# KiCad board explorekb75-old-layout.kicad_pcb
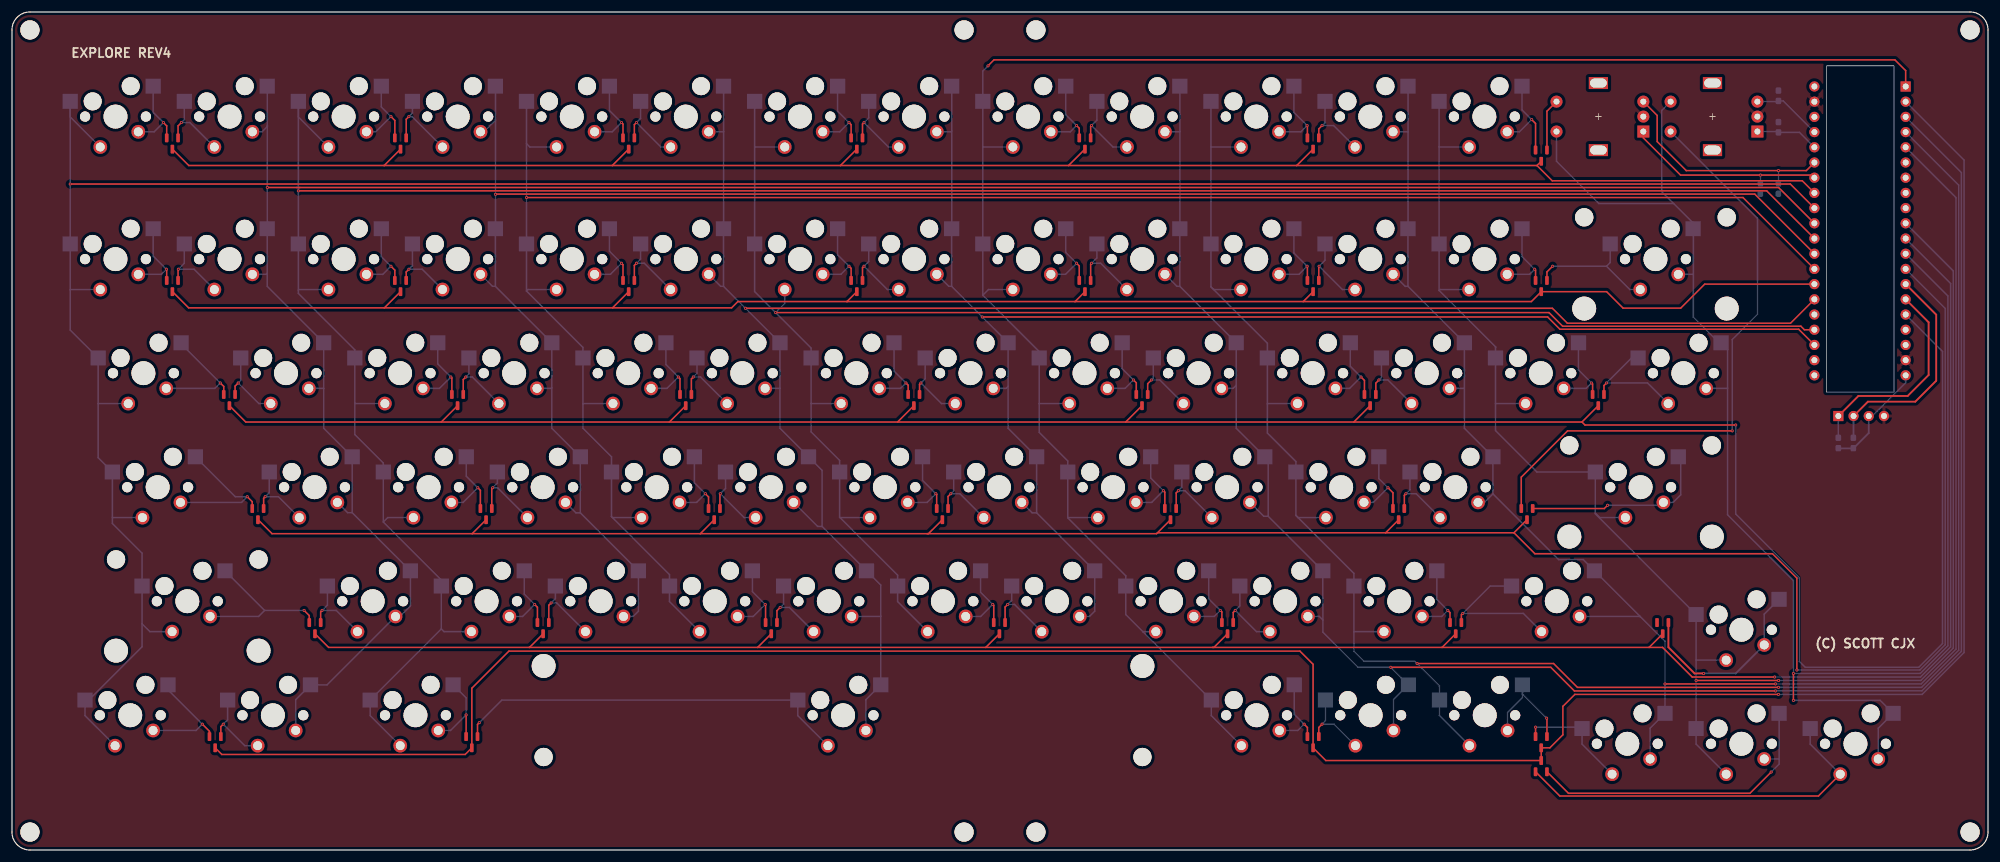
[diagram p0: board, top side]
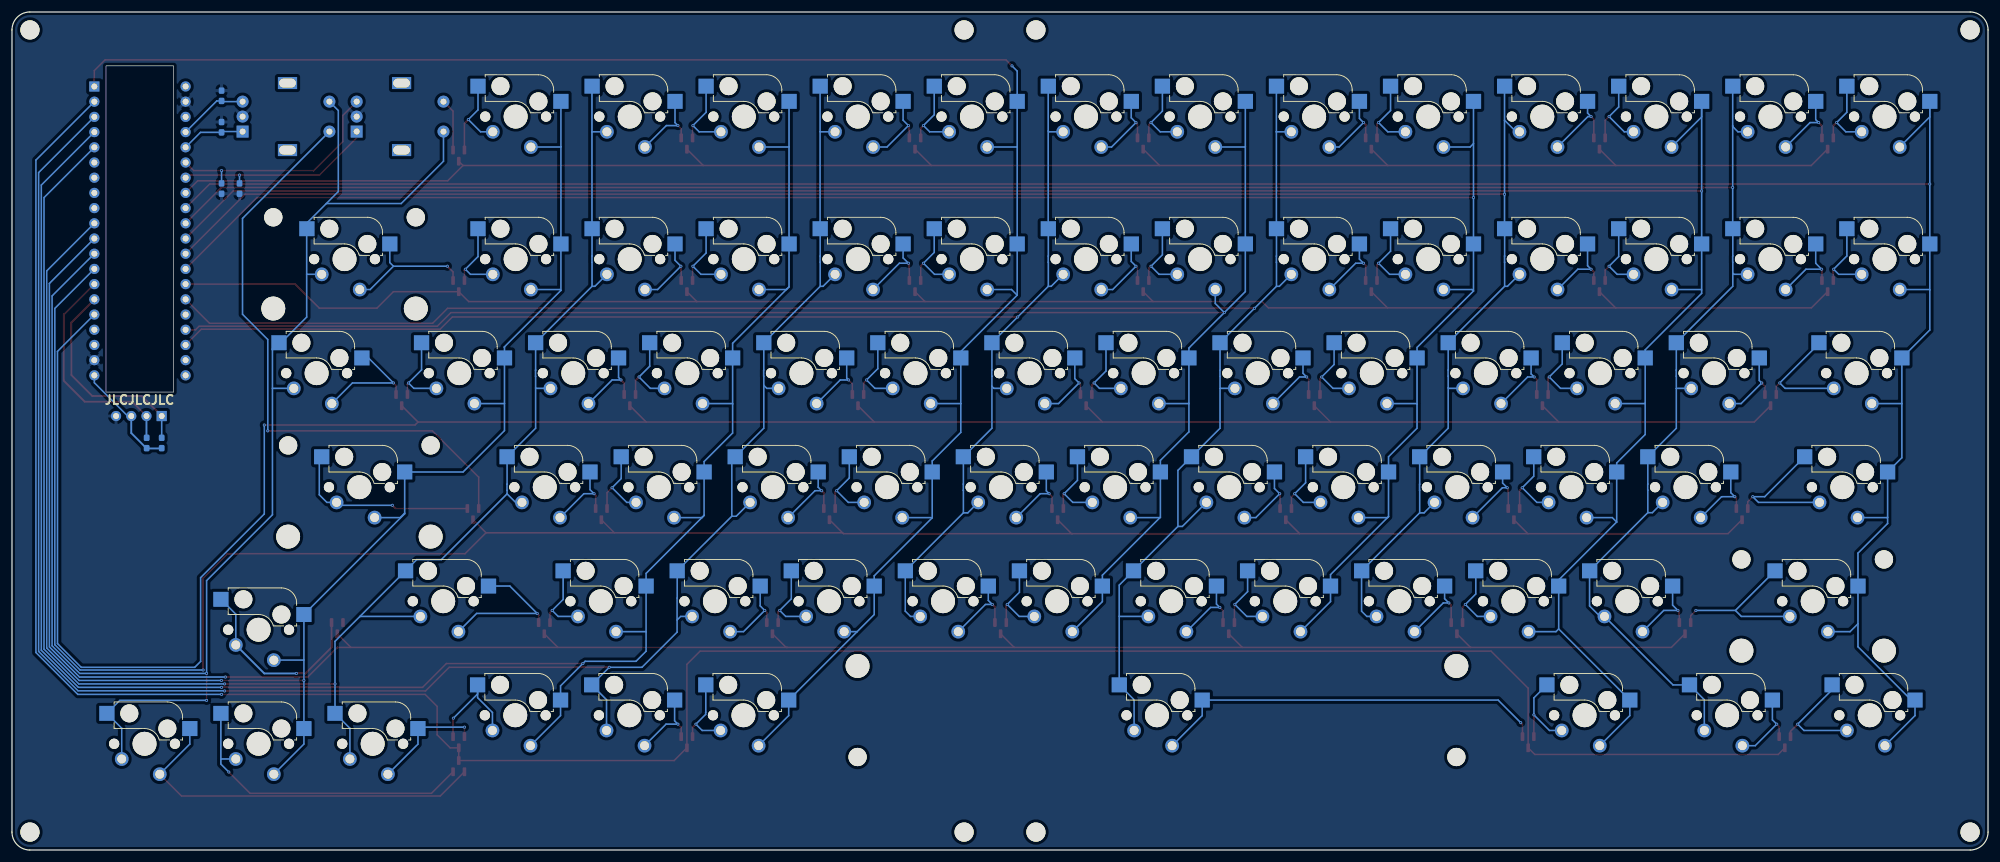
[diagram p1: board, bottom side, seen from below]

Outline 330 x 140 mm; copper layers: Top, Bottom. Coordinates in mm from the lower left corner of the outline.
Outline path: rectangle 303,131 314.3,76.5 ; 0,137 arc(0.88,139.12) 3,140 327,140 arc(329.12,139.12) 330,137 330,3 arc(329.12,0.88) 327,0 3,0 arc(0.88,0.88) 0,3 0,137
Stack: Top 0.035mm / dielectric 1.51mm FR4 er 4.5 / Bottom 0.035mm

## Placement (name value [footprint] x y rotation side)
C1  100n  [C_0603_1608Metric_Pad1.08x0.95mm_HandSolder]  295 110.5 270 bottom
C2  100n  [C_0603_1608Metric_Pad1.08x0.95mm_HandSolder]  292 110.5 270 bottom
C3  100n  [C_0603_1608Metric_Pad1.08x0.95mm_HandSolder]  295 126 90 bottom
C4  100n  [C_0603_1608Metric_Pad1.08x0.95mm_HandSolder]  295 120.75 90 bottom
D1  BAT54C  [SOT-23]  26.79 118.03 270 top
D2  BAT54C  [SOT-23]  64.89 118.03 270 top
D3  BAT54C  [SOT-23]  102.99 118.03 270 top
D4  BAT54C  [SOT-23]  141.09 118.03 270 top
D5  BAT54C  [SOT-23]  179.19 118.03 270 top
D6  BAT54C  [SOT-23]  217.29 118.03 270 top
D7  BAT54C  [SOT-23]  255.39 116 270 top
D8  BAT54C  [SOT-23]  26.79 94.21 270 top
D9  BAT54C  [SOT-23]  64.89 94.21 270 top
D10  BAT54C  [SOT-23]  102.99 94.21 270 top
D11  BAT54C  [SOT-23]  141.09 94.21 270 top
D12  BAT54C  [SOT-23]  179.19 94.21 270 top
D13  BAT54C  [SOT-23]  217.29 94.21 270 top
D14  BAT54C  [SOT-23]  255.39 94.21 270 top
D15  BAT54C  [SOT-23]  36.31 75.16 270 top
D16  BAT54C  [SOT-23]  74.41 75.16 270 top
D17  BAT54C  [SOT-23]  112.51 75.16 270 top
D18  BAT54C  [SOT-23]  150.61 75.16 270 top
D19  BAT54C  [SOT-23]  188.71 75.16 270 top
D20  BAT54C  [SOT-23]  226.81 75.16 270 top
D21  BAT54C  [SOT-23]  264.91 75.16 270 top
D22  BAT54C  [SOT-23]  41.07 56.11 270 top
D23  BAT54C  [SOT-23]  79.17 56.11 270 top
D24  BAT54C  [SOT-23]  117.27 56.11 270 top
D25  BAT54C  [SOT-23]  155.37 56.11 270 top
D26  BAT54C  [SOT-23]  193.47 56.11 270 top
D27  BAT54C  [SOT-23]  231.57 56.11 270 top
D28  BAT54C  [SOT-23]  253.01 56.11 270 top
D29  BAT54C  [SOT-23]  50.6 37.06 270 top
D30  BAT54C  [SOT-23]  88.7 37.06 270 top
D31  BAT54C  [SOT-23]  126.8 37.06 270 top
D32  BAT54C  [SOT-23]  164.9 37.06 270 top
D33  BAT54C  [SOT-23]  203 37.06 270 top
D34  BAT54C  [SOT-23]  241.1 37.06 270 top
D35  BAT54C  [SOT-23]  275.67 37.06 270 top
D36  BAT54C  [SOT-23]  33.93 18.01 270 top
D37  BAT54C  [SOT-23]  76.79 18.01 270 top
D38  BAT54C  [SOT-23]  217.29 18.01 270 top
D39  BAT54C  [SOT-23]  255.39 18.01 270 top
D40  BAT54C  [SOT-23]  255.39 14.01 90 top
G***  LOGO  [muffin_glasses_fp]  309.5 56 0 top
R1  4k7  [C_0603_1608Metric_Pad1.08x0.95mm_HandSolder]  305 68 90 bottom
R2  4k7  [C_0603_1608Metric_Pad1.08x0.95mm_HandSolder]  307.51 68 90 bottom
REF**  M3 Hole  [MountingHole_3.2mm_M3]  327 3 0 top
REF**#2  M3 Hole  [MountingHole_3.2mm_M3]  159 3 0 top
REF**#3  M3 Hole  [MountingHole_3.2mm_M3]  3 137 0 top
REF**#4  M3 Hole  [MountingHole_3.2mm_M3]  171 3 0 top
REF**#5  M3 Hole  [MountingHole_3.2mm_M3]  327 137 0 top
REF**#6  M3 Hole  [MountingHole_3.2mm_M3]  3 3 0 top
REF**#7  M3 Hole  [MountingHole_3.2mm_M3]  159 137 0 top
REF**#8  M3 Hole  [MountingHole_3.2mm_M3]  171 137 0 top
STAB1  -  [Stabilizer_MX_2u]  274.46 98.71 0 top
STAB2  -  [Stabilizer_MX_2u]  271.98 60.61 0 top
STAB3  -  [Stabilizer_MX_2u]  29.28 41.56 0 top
STAB4  -  [Stabilizer_Cherry_MX_6.25u]  138.79 22.53 180 top
SW1  SW_SPST  [MX_HS_Optional]  17.29 122.53 0 top
SW2  SW_SPST  [MX_HS_Optional]  36.34 122.53 0 top
SW3  SW_SPST  [MX_HS_Optional]  55.39 122.53 0 top
SW4  SW_SPST  [MX_HS_Optional]  74.44 122.53 0 top
SW5  SW_SPST  [MX_HS_Optional]  93.49 122.53 0 top
SW6  SW_SPST  [MX_HS_Optional]  112.54 122.53 0 top
SW7  SW_SPST  [MX_HS_Optional]  131.59 122.53 0 top
SW8  SW_SPST  [MX_HS_Optional]  150.64 122.53 0 top
SW9  SW_SPST  [MX_HS_Optional]  169.69 122.53 0 top
SW10  SW_SPST  [MX_HS_Optional]  188.74 122.53 0 top
SW11  SW_SPST  [MX_HS_Optional]  207.79 122.53 0 top
SW12  SW_SPST  [MX_HS_Optional]  226.84 122.53 0 top
SW13  SW_SPST  [MX_HS_Optional]  245.89 122.53 0 top
SW14  RotaryEncoder_Switch  [RotaryEncoder_Alps_EC11E-Switch_Vertical_H20mm]  264.94 122.53 180 top
SW15  RotaryEncoder_Switch  [RotaryEncoder_Alps_EC11E-Switch_Vertical_H20mm]  283.99 122.53 180 top
SW16  SW_SPST  [MX_HS_Optional]  17.29 98.71 0 top
SW17  SW_SPST  [MX_HS_Optional]  36.34 98.71 0 top
SW18  SW_SPST  [MX_HS_Optional]  55.39 98.71 0 top
SW19  SW_SPST  [MX_HS_Optional]  74.44 98.71 0 top
SW20  SW_SPST  [MX_HS_Optional]  93.49 98.71 0 top
SW21  SW_SPST  [MX_HS_Optional]  112.54 98.71 0 top
SW22  SW_SPST  [MX_HS_Optional]  131.59 98.71 0 top
SW23  SW_SPST  [MX_HS_Optional]  150.64 98.71 0 top
SW24  SW_SPST  [MX_HS_Optional]  169.69 98.71 0 top
SW25  SW_SPST  [MX_HS_Optional]  188.74 98.71 0 top
SW26  SW_SPST  [MX_HS_Optional]  207.79 98.71 0 top
SW27  SW_SPST  [MX_HS_Optional]  226.84 98.71 0 top
SW28  SW_SPST  [MX_HS_Optional]  245.89 98.71 0 top
SW29  SW_SPST  [MX_HS_Optional]  274.46 98.71 0 top
SW30  SW_SPST  [MX_HS_Optional]  21.95 79.66 0 top
SW31  SW_SPST  [MX_HS_Optional]  45.76 79.66 0 top
SW32  SW_SPST  [MX_HS_Optional]  64.81 79.66 0 top
SW33  SW_SPST  [MX_HS_Optional]  83.86 79.66 0 top
SW34  SW_SPST  [MX_HS_Optional]  102.91 79.66 0 top
SW35  SW_SPST  [MX_HS_Optional]  121.96 79.66 0 top
SW36  SW_SPST  [MX_HS_Optional]  141.01 79.66 0 top
SW37  SW_SPST  [MX_HS_Optional]  160.06 79.66 0 top
SW38  SW_SPST  [MX_HS_Optional]  179.11 79.66 0 top
SW39  SW_SPST  [MX_HS_Optional]  198.16 79.66 0 top
SW40  SW_SPST  [MX_HS_Optional]  217.21 79.66 0 top
SW41  SW_SPST  [MX_HS_Optional]  236.26 79.66 0 top
SW42  SW_SPST  [MX_HS_Optional]  255.31 79.66 0 top
SW43  SW_SPST  [MX_HS_Optional]  279.12 79.66 0 top
SW44  SW_SPST  [MX_HS_Optional]  24.33 60.61 0 top
SW45  SW_SPST  [MX_HS_Optional]  50.52 60.61 0 top
SW46  SW_SPST  [MX_HS_Optional]  69.57 60.61 0 top
SW47  SW_SPST  [MX_HS_Optional]  88.62 60.61 0 top
SW48  SW_SPST  [MX_HS_Optional]  107.67 60.61 0 top
SW49  SW_SPST  [MX_HS_Optional]  126.72 60.61 0 top
SW50  SW_SPST  [MX_HS_Optional]  145.77 60.61 0 top
SW51  SW_SPST  [MX_HS_Optional]  164.82 60.61 0 top
SW52  SW_SPST  [MX_HS_Optional]  183.87 60.61 0 top
SW53  SW_SPST  [MX_HS_Optional]  202.92 60.61 0 top
SW54  SW_SPST  [MX_HS_Optional]  221.97 60.61 0 top
SW55  SW_SPST  [MX_HS_Optional]  241.02 60.61 0 top
SW56  SW_SPST  [MX_HS_Optional]  271.98 60.61 0 top
SW57  SW_SPST  [MX_HS_Optional]  29.28 41.56 0 top
SW58  SW_SPST  [MX_HS_Optional]  60.24 41.56 0 top
SW59  SW_SPST  [MX_HS_Optional]  79.26 41.56 0 top
SW60  SW_SPST  [MX_HS_Optional]  98.31 41.56 0 top
SW61  SW_SPST  [MX_HS_Optional]  117.36 41.56 0 top
SW62  SW_SPST  [MX_HS_Optional]  136.41 41.56 0 top
SW63  SW_SPST  [MX_HS_Optional]  155.46 41.56 0 top
SW64  SW_SPST  [MX_HS_Optional]  174.51 41.56 0 top
SW65  SW_SPST  [MX_HS_Optional]  193.56 41.56 0 top
SW66  SW_SPST  [MX_HS_Optional]  212.61 41.56 0 top
SW67  SW_SPST  [MX_HS_Optional]  231.66 41.56 0 top
SW68  SW_SPST  [MX_HS_Optional]  257.98 41.56 0 top
SW69  SW_SPST  [MX_HS_Optional]  288.81 36.8 0 top
SW70  SW_SPST  [MX_HS_Optional]  19.76 22.51 0 top
SW71  SW_SPST  [MX_HS_Optional]  43.57 22.51 0 top
SW72  SW_SPST  [MX_HS_Optional]  67.38 22.51 0 top
SW73  SW_SPST  [MX_HS_Optional]  138.79 22.51 0 top
SW74  SW_SPST  [MX_HS_Optional]  207.85 22.51 0 top
SW75  SW_SPST  [MX_HS_Optional]  226.9 22.51 0 top
SW76  SW_SPST  [MX_HS_Optional]  245.95 22.51 0 top
SW77  SW_SPST  [MX_HS_Optional]  269.76 17.75 0 top
SW78  SW_SPST  [MX_HS_Optional]  288.81 17.75 0 top
SW79  SW_SPST  [MX_HS_Optional]  307.86 17.75 0 top
U1  YAAJ_WeAct_BlackPill_Part_Like  [YAAJ_WeAct_BlackPill_2]  316.25 127.56 180 bottom
U2  SSD1306  [SSD1306_128X32]  305 72.5 90 top

## Library data of the parts
U1 = -: Field4: Y@@J

## Footprints (pads in the part's own frame, mm; a bottom-side part is the same pattern mirrored in y, then rotated)
C_0603_1608Metric_Pad1.08x0.95mm_HandSolder
  rrect 1.075x0.95 smd: 1(-0.863,0) 2(0.863,0)
MountingHole_3.2mm_M3
  round 3.2 hole 3.2 unplated: (0,0)
MX_HS_Optional
  round 1.702 hole 1.702 unplated: (-5.08,0) (5.08,0)
  round 3 hole 3 unplated: (-3.81,2.54) (2.54,5.08)
  round 3.988 hole 3.988 unplated: (0,0)
  round 2.286 hole 1.499: 1(3.81,-2.54) 2(-2.54,-5.08)
  rect 2.55x2.5 smd far side: 1(6.29,5.08) 2(-7.56,2.54)
RotaryEncoder_Alps_EC11E-Switch_Vertical_H20mm
  rect 2x2 hole 1: A(-7.5,2.5)
  round 2 hole 1: B(-7.5,-2.5) C(-7.5,0) S1(7,-2.5) S2(7,2.5)
  rect 3.2x2 hole 2.8x1.5: MP(0,5.6) MP(0,-5.6)
SOT-23
  rrect 1.475x0.6 smd: 1(-0.938,0.95) 2(-0.938,-0.95) 3(0.938,0)
SSD1306_128X32
  rect 1.7x1.7 hole 1: 1(0,0)
  oval 1.7x1.7 hole 1: 2(0,-2.54) 3(0,-5.08) 4(0,-7.62)
Stabilizer_Cherry_MX_6.25u
  round 3.048 hole 3.048 unplated: (-50,6.985) (50,6.985)
  round 3.988 hole 3.988 unplated: (-50,-8.225) (50,-8.225)
Stabilizer_MX_2u
  round 3.048 hole 3.048 unplated: (-11.9,6.985) (11.9,6.985)
  round 3.988 hole 3.988 unplated: (-11.9,-8.255) (11.9,-8.255)
YAAJ_WeAct_BlackPill_2
  rect 1.7x1.7 hole 1: 1(0,0)
  round 1.7 hole 1: 2(0,-2.54) 3(0,-5.08) 4(0,-7.62) 5(0,-10.16) 6(0,-12.7) 7(0,-15.24) 8(0,-17.78) 9(0,-20.32) 10(0,-22.86) 11(0,-25.4) 12(0,-27.94) 13(0,-30.48) 14(0,-33.02) 15(0,-35.56) 16(0,-38.1) 17(0,-40.64) 18(0,-43.18) 19(0,-45.72) 20(0,-48.26) 21(15.24,-48.26) 22(15.24,-45.72) 23(15.24,-43.18) 24(15.24,-40.64) 25(15.24,-38.1) 26(15.24,-35.56) 27(15.24,-33.02) 28(15.24,-30.48) 29(15.24,-27.94) 30(15.24,-25.4) 31(15.24,-22.86) 32(15.24,-20.32) 33(15.24,-17.78) 34(15.24,-15.24) 35(15.24,-12.7) 36(15.24,-10.16) 37(15.24,-7.62) 38(15.24,-5.08) 39(15.24,-2.54) 40(15.24,0)

## Nets
+3V3: R1.1 R2.1 U1.20 U2.3
GND: C1.2 C2.2 C3.2 C4.2 SW14.C SW15.C U1.19 U1.39 U2.4
/COL 0: SW1.2 SW16.2 SW30.2 SW44.2 SW57.2 SW70.2 U1.32
/COL 1: SW2.1 SW17.1 SW31.1 SW45.1 SW58.1 SW71.1 U1.31
/COL 2: SW3.2 SW18.2 SW32.2 SW46.2 SW59.2 SW72.2 U1.30
/COL 3: SW4.1 SW19.1 SW33.1 SW47.1 SW60.1 U1.29
/COL 4: SW5.2 SW20.2 SW34.2 SW48.2 SW61.2 U1.28
/COL 5: SW6.1 SW21.1 SW35.1 SW49.1 SW62.1 SW73.1 U1.26
/COL 6: SW7.2 SW22.2 SW36.2 SW50.2 SW63.2 U1.24
/COL 7: SW8.1 SW23.1 SW37.1 SW51.1 SW64.1 U1.23
/COL 8: SW9.2 SW24.2 SW38.2 SW52.2 SW65.2 SW74.2 U1.1
/COL 9: SW10.1 SW25.1 SW39.1 SW53.1 SW66.1 SW75.1 U1.3
/COL 10: SW11.2 SW26.2 SW40.2 SW54.2 SW67.2 SW76.2 U1.4
/COL 11: SW12.1 SW27.1 SW41.1 SW55.1 SW68.1 SW77.1 U1.5
/COL 12: SW13.2 SW28.2 SW42.2 SW56.2 SW69.2 SW78.2 U1.10
/COL 13: SW14.S2 SW15.S1 SW29.1 SW43.1 SW79.1 U1.12
/Key Matrix/ROT1_2: D7.1 SW14.S1
/Key Matrix/ROT2_2: D28.2 SW15.S2
/ROT1_A: C1.1 SW14.B U1.35
/ROT1_B: C2.1 SW14.A U1.34
/ROT2_A: C3.1 SW15.B U1.37
/ROT2_B: C4.1 SW15.A U1.36
/ROW 0: D1.3 D2.3 D3.3 D4.3 D5.3 D6.3 D7.3 U1.33
/ROW 1: D8.3 D9.3 D10.3 D11.3 D12.3 D13.3 D14.3 U1.27
/ROW 2: D15.3 D16.3 D17.3 D18.3 D19.3 D20.3 D21.3 U1.16
/ROW 3: D22.3 D23.3 D24.3 D25.3 D26.3 D27.3 D28.3 U1.13
/ROW 4: D29.3 D30.3 D31.3 D32.3 D33.3 D34.3 D35.3 U1.11
/ROW 5: D36.3 D37.3 D38.3 D39.3 D40.3 U1.2
/SCL1: R2.2 U1.14 U2.2
/SDA1: R1.2 U1.15 U2.1
/UART1_RX: U1.7
/UART1_TX: U1.6
/~{RST}: U1.25
Net-(D1-Pad1): D1.1 SW2.2
Net-(D1-Pad2): D1.2 SW1.1
Net-(D2-Pad1): D2.1 SW4.2
Net-(D2-Pad2): D2.2 SW3.1
Net-(D3-Pad1): D3.1 SW6.2
Net-(D3-Pad2): D3.2 SW5.1
Net-(D4-Pad1): D4.1 SW8.2
Net-(D4-Pad2): D4.2 SW7.1
Net-(D5-Pad1): D5.1 SW10.2
Net-(D5-Pad2): D5.2 SW9.1
Net-(D6-Pad1): D6.1 SW12.2
Net-(D6-Pad2): D6.2 SW11.1
Net-(D7-Pad2): D7.2 SW13.1
Net-(D8-Pad1): D8.1 SW17.2
Net-(D8-Pad2): D8.2 SW16.1
Net-(D9-Pad1): D9.1 SW19.2
Net-(D9-Pad2): D9.2 SW18.1
Net-(D10-Pad1): D10.1 SW21.2
Net-(D10-Pad2): D10.2 SW20.1
Net-(D11-Pad1): D11.1 SW23.2
Net-(D11-Pad2): D11.2 SW22.1
Net-(D12-Pad1): D12.1 SW25.2
Net-(D12-Pad2): D12.2 SW24.1
Net-(D13-Pad1): D13.1 SW27.2
Net-(D13-Pad2): D13.2 SW26.1
Net-(D14-Pad1): D14.1 SW29.2
Net-(D14-Pad2): D14.2 SW28.1
Net-(D15-Pad1): D15.1 SW31.2
Net-(D15-Pad2): D15.2 SW30.1
Net-(D16-Pad1): D16.1 SW33.2
Net-(D16-Pad2): D16.2 SW32.1
Net-(D17-Pad1): D17.1 SW35.2
Net-(D17-Pad2): D17.2 SW34.1
Net-(D18-Pad1): D18.1 SW37.2
Net-(D18-Pad2): D18.2 SW36.1
Net-(D19-Pad1): D19.1 SW39.2
Net-(D19-Pad2): D19.2 SW38.1
Net-(D20-Pad1): D20.1 SW41.2
Net-(D20-Pad2): D20.2 SW40.1
Net-(D21-Pad1): D21.1 SW43.2
Net-(D21-Pad2): D21.2 SW42.1
Net-(D22-Pad1): D22.1 SW45.2
Net-(D22-Pad2): D22.2 SW44.1
Net-(D23-Pad1): D23.1 SW47.2
Net-(D23-Pad2): D23.2 SW46.1
Net-(D24-Pad1): D24.1 SW49.2
Net-(D24-Pad2): D24.2 SW48.1
Net-(D25-Pad1): D25.1 SW51.2
Net-(D25-Pad2): D25.2 SW50.1
Net-(D26-Pad1): D26.1 SW53.2
Net-(D26-Pad2): D26.2 SW52.1
Net-(D27-Pad1): D27.1 SW55.2
Net-(D27-Pad2): D27.2 SW54.1
Net-(D28-Pad1): D28.1 SW56.1
Net-(D29-Pad1): D29.1 SW58.2
Net-(D29-Pad2): D29.2 SW57.1
Net-(D30-Pad1): D30.1 SW60.2
Net-(D30-Pad2): D30.2 SW59.1
Net-(D31-Pad1): D31.1 SW62.2
Net-(D31-Pad2): D31.2 SW61.1
Net-(D32-Pad1): D32.1 SW64.2
Net-(D32-Pad2): D32.2 SW63.1
Net-(D33-Pad1): D33.1 SW66.2
Net-(D33-Pad2): D33.2 SW65.1
Net-(D34-Pad1): D34.1 SW68.2
Net-(D34-Pad2): D34.2 SW67.1
Net-(D35-Pad1): D35.1 SW69.1
Net-(D36-Pad1): D36.1 SW71.2
Net-(D36-Pad2): D36.2 SW70.1
Net-(D37-Pad1): D37.1 SW73.2
Net-(D37-Pad2): D37.2 SW72.1
Net-(D38-Pad1): D38.1 SW75.2
Net-(D38-Pad2): D38.2 SW74.1
Net-(D39-Pad1): D39.1 SW76.1
Net-(D39-Pad2): D39.2 SW77.2
Net-(D40-Pad1): D40.1 SW79.2
Net-(D40-Pad2): D40.2 SW78.1

Pads without a net: D35 2; SW14 MP; SW15 MP; U1 8 9 17 18 21 22 38 40

## Via types
v1: diameter 0.5, hole 0.25, Top to Bottom, 102 vias

## Routing (per net, layer and track width the routed paths; a pad name or vN(x,y) marks a point on that pad's centre or on a via; arc(x,y) is an arc through that point)
+3V3: length 18.7
  Bottom w0.25: U2.3 310.68,72.5 316.25,78.07 U1.20
  Bottom w0.3: 305,67.09 307.51,67.09 310.08,69.66 U2.3
/COL 0: length 442.3
  Top w0.25: U1.32 296.98,111.26 9.73,111.26 v1(9.73,111.25)
  Bottom w0.25: 9.73,93.58 9.78,93.63 SW16.2 ; 9.73,93.58 SW16.2 9.73,125.06 9.73,122.47 14.75,117.44 ; 9.73,93.58 9.73,86.86 SW30.2 14.39,74.54 ; 21.72,37.8 23.03,36.48 SW57.2 ; 21.72,37.8 SW57.2 21.72,49.59 16.77,54.54 16.77,55.6 ; 21.72,37.8 21.72,33.96 12.81,25.05 SW70.2 12.2,22.45 SW70.2 ; 16.77,55.6 SW44.2 14.39,65.53 14.39,74.54 ; 16.77,55.6 16.84,55.53 SW44.2 ; 14.39,74.54 14.43,74.58 SW30.2
/COL 1: length 399.7
  Top w0.25: v1(42.64,110.68) 42.65,110.67 47.59,110.67 47.59,110.68 48.07,110.68 48.07,110.67 295.02,110.67 U1.31
  Bottom w0.25: 42.63,96.35 42.63,98.19 42.64,98.2 42.64,99.22 42.63,99.24 SW17.1 42.64,103.81 42.64,121.03 ; 42.63,96.35 42.45,96.17 SW17.1 ; 42.63,96.35 42.63,94.17 SW31.1 52.05,80.19 52.07,80.17 52.07,79.15 52.05,79.14 52.05,77.1 ; 52.05,77.1 52.05,70.46 SW45.1 56.81,61.14 56.83,61.12 56.83,60.1 56.81,60.09 56.81,56.35 ; 52.05,77.1 52.03,77.12 SW31.1 ; 42.64,121.03 42.64,127.59 SW2.1 ; 42.64,121.03 42.64,120.86 41.76,119.98 SW2.1 ; SW45.1 56.05,56.35 56.81,56.35 ; 56.81,56.35 SW58.1 66.54,46.63 66.54,40.78 64.78,39.02 SW58.1 52.62,27.59 SW71.1 47.38,25.11 SW71.1
/COL 2: length 411.3
  Top w0.25: v1(47.83,110.1) 47.84,110.12 293.04,110.12 U1.30
  Bottom w0.25: SW59.2 72.15,36.48 71.7,36.93 ; SW72.2 59.82,22.45 SW72.2 71.7,36.93 ; 62.01,54.8 SW46.2 62.01,64.65 57.25,69.41 57.25,74.65 ; 62.01,54.8 71.7,45.11 SW59.2 71.7,36.93 ; 62.01,54.8 62.75,55.53 SW46.2 ; SW18.2 47.91,93.63 47.83,93.55 ; 57.25,74.65 57.32,74.58 SW32.2 ; 57.25,74.65 SW32.2 57.25,83.56 47.83,92.98 47.83,93.55 ; 47.83,93.55 SW18.2 47.83,125.06 47.83,122.47 52.85,117.44
/COL 3: length 337.2
  Top w0.25: v1(80.74,109.54) 80.78,109.58 291.05,109.58 U1.29
  Bottom w0.25: 90.15,77.22 90.15,79.14 90.17,79.15 90.17,80.17 90.15,80.19 SW33.1 80.73,94.17 ; 90.15,77.22 90.05,77.12 SW33.1 ; 90.15,77.22 90.15,70.46 SW47.1 94.91,61.14 94.93,61.12 94.93,60.1 94.91,60.09 94.91,56.33 ; SW60.1 103.74,39.02 104.62,39.9 104.62,46.63 SW60.1 94.91,56.33 ; 80.73,94.17 80.25,94.17 SW19.1 ; 80.73,94.17 80.73,98.19 80.74,98.2 80.74,99.22 80.73,99.24 SW19.1 80.74,103.81 80.74,121.92 ; SW4.1 78.81,119.98 80.74,121.92 ; 94.91,56.33 94.18,56.33 SW47.1 ; 80.74,121.92 80.74,127.59 SW4.1
/COL 4: length 341.1
  Top w0.25: U1.28 289.08,109 v1(85.93,109)
  Bottom w0.25: SW48.2 100.28,55.53 100.11,55.7 ; 85.93,93.39 95.35,83.96 SW34.2 95.35,74.53 ; 85.93,93.39 SW20.2 85.93,118 ; 85.93,93.39 86.17,93.63 SW20.2 ; 85.93,118 86.48,117.44 90.95,117.44 ; 85.93,118 85.93,125.06 ; 95.35,74.53 95.35,70.46 100.11,65.7 SW48.2 100.11,55.7 ; 95.35,74.53 95.41,74.58 SW34.2 ; 100.11,55.7 109.8,46.01 SW61.2 109.8,41.5 SW61.2
/COL 5: length 320.4
  Top w0.25: v1(122.5,90.5) 122.5,90.5 257.25,90.5 259.75,88 297.01,88 U1.26
  Bottom w0.25: 135.29,54.06 135.29,63.42 SW49.1 128.25,70.46 128.25,77.1 ; 135.29,54.06 SW62.1 145.08,44.26 145.08,39.07 ; 135.29,54.06 134.55,54.06 SW49.1 ; 118.84,119.99 118.84,119.98 SW6.1 ; 118.84,119.99 118.84,127.59 SW6.1 ; 118.84,119.99 118.84,103.81 SW21.1 118.83,99.24 118.84,99.22 118.84,98.2 118.83,98.19 118.83,94.17 ; 118.83,94.17 v1(122.5,90.5) SW35.1 128.25,80.19 128.27,80.17 128.27,79.15 128.25,79.14 128.25,77.1 ; 118.83,94.17 118.35,94.17 SW21.1 ; SW73.1 142.6,25.11 SW73.1 145.08,39.07 ; SW62.1 145.04,39.02 145.08,39.07 ; 128.25,77.1 128.23,77.12 SW35.1
/COL 6: length 294.8
  Top w0.25: v1(127.53,89.78) 256.68,89.78 258.97,87.5 298.75,87.5 299.33,86.92 U1.24
  Bottom w0.25: 124.03,117.48 124.03,125.06 ; 124.03,117.48 124.06,117.44 129.05,117.44 ; 124.03,117.48 SW22.2 124.03,93.28 v1(127.53,89.78) ; 133.45,74.6 133.45,69.86 138.21,65.1 SW50.2 138.21,55.6 ; 133.45,74.6 133.47,74.58 SW36.2 ; 133.45,74.6 SW36.2 133.45,83.86 v1(127.53,89.78) ; 138.21,55.6 138.28,55.53 SW50.2 ; 138.21,55.6 147.9,45.91 SW63.2 147.9,41.5 SW63.2 ; v1(127.53,89.78) 129.05,91.3 SW22.2
/COL 7: length 253.1
  Top w0.25: v1(162.05,89.05) 256.45,89.05 258.5,87 298.38,87 U1.23
  Bottom w0.25: 156.94,120.12 156.94,127.59 SW8.1 ; 156.94,120.12 156.81,119.98 SW8.1 ; 156.94,120.12 156.94,103.81 SW23.1 156.93,99.24 156.94,99.22 156.94,98.2 156.93,98.19 156.93,94.17 ; 166.35,77.45 166.35,79.14 166.37,79.15 166.37,80.17 166.35,80.19 SW37.1 v1(162.05,89.05) 156.93,94.17 ; 166.35,77.45 166.35,70.46 SW51.1 171.11,61.14 171.13,61.12 171.13,60.1 171.11,60.09 171.11,56.33 ; 166.35,77.45 166.03,77.12 SW37.1 ; 156.93,94.17 156.45,94.17 SW23.1 ; 171.11,56.33 170.38,56.33 SW51.1 ; 171.11,56.33 SW64.1 180.82,46.63 180.82,39.9 179.94,39.02 SW64.1
/COL 8: length 311.5
  Top w0.25: U1.1 316.25,130.2 314.45,132 164,132 v1(163,131)
  Bottom w0.25: 162.13,92.69 171.55,83.26 SW38.2 171.55,74.58 ; 162.13,92.69 163.07,93.63 SW24.2 ; 162.13,92.69 SW24.2 162.13,117.5 ; SW65.2 188.91,36.48 188.88,36.46 ; 171.55,74.58 171.56,74.58 SW38.2 ; 171.55,74.58 171.55,69.76 176.31,65 SW52.2 176.31,55.5 ; 162.13,117.5 162.13,130.13 v1(163,131) ; 162.13,117.5 162.18,117.44 167.15,117.44 ; 188.88,36.46 186,39.34 SW65.2 186,45.81 176.31,55.5 ; 188.88,36.46 SW74.2 200.29,22.45 SW74.2 ; 176.31,55.5 176.35,55.53 SW52.2
/COL 9: length 335.8
  Top w0.25: v1(294.5,26.57) 260.93,26.57 256.98,30.53 v1(230.26,30.53)
  Bottom w0.25: 218.92,38.43 218.92,36.39 224.79,30.53 v1(230.26,30.53) SW75.1 230.71,25.11 SW75.1 ; 218.92,38.43 218.92,42.07 218.9,42.09 SW66.1 209.79,55.76 ; 218.92,38.43 218.33,39.02 SW66.1 ; SW10.1 195.01,119.98 195.04,120.02 ; SW10.1 195.04,127.59 195.04,120.02 ; SW25.1 194.55,94.17 195.03,94.17 ; U1.3 325.55,113.17 325.55,33.19 318.96,26.6 294.53,26.6 v1(294.5,26.57) ; 209.79,55.76 209.79,65.12 SW53.1 204.45,70.46 204.45,77.63 ; 209.79,55.76 209.05,55.76 SW53.1 ; 204.45,77.63 204.45,79.14 204.47,79.15 204.47,80.17 204.45,80.19 SW39.1 195.03,94.17 ; 204.45,77.63 203.95,77.12 SW39.1 ; 195.03,94.17 195.03,98.19 195.04,98.2 195.04,99.22 195.03,99.24 SW25.1 195.04,103.81 195.04,120.02
/COL 10: length 340.9
  Top w0.25: v1(234.66,31.16) 257.45,31.16 261.43,27.17 v1(295.01,27.17)
  Bottom w0.25: 209.65,74.53 SW40.2 209.65,84.66 200.23,94.08 ; 209.65,74.53 209.71,74.58 SW40.2 ; 209.65,74.53 209.65,69.66 214.41,64.9 SW54.2 214.41,55.9 ; 224.1,36.47 SW67.2 224.1,46.21 214.41,55.9 ; 224.1,36.47 224.1,33.21 225.79,31.53 234.29,31.53 v1(234.66,31.16) 238.39,27.42 SW76.2 238.39,22.45 SW76.2 ; 224.1,36.47 224.11,36.48 SW67.2 ; 200.23,94.08 200.68,93.63 SW26.2 ; 200.23,94.08 SW26.2 200.23,117.47 ; 214.41,55.9 214.78,55.53 SW54.2 ; 200.23,117.47 200.23,125.06 ; 200.23,117.47 200.25,117.44 205.25,117.44 ; v1(295.01,27.17) 318.9,27.17 325.1,33.37 325.1,111.08 U1.4
/COL 11: length 293.5
  Top w0.25: v1(294.5,27.75) v1(276.05,27.75)
  Bottom w0.25: 271.93,38.98 SW68.1 262.4,48.52 258.29,48.52 247.31,59.5 ; 271.93,38.98 276.05,34.86 SW77.1 273.57,20.35 SW77.1 ; 271.93,38.98 271.89,39.02 SW68.1 ; 247.31,59.5 245.89,58.07 SW55.1 ; 247.31,59.5 247.31,60.09 247.33,60.1 247.33,61.12 247.31,61.14 SW55.1 242.55,70.46 242.55,77.18 ; 233.13,94.17 233.13,98.19 233.14,98.2 233.14,99.22 233.13,99.24 SW27.1 233.14,103.81 233.14,120.01 ; 233.13,94.17 SW41.1 242.55,80.19 242.57,80.17 242.57,79.15 242.55,79.14 242.55,77.18 ; 233.13,94.17 232.65,94.17 SW27.1 ; U1.5 324.65,108.99 324.65,33.56 318.84,27.75 v1(294.5,27.75) ; 242.55,77.18 242.5,77.12 SW41.1 ; SW12.1 233.14,127.59 233.14,120.01 ; SW12.1 233.12,119.98 233.14,120.01
/COL 12: length 283
  Top w0.25: v1(295.02,28.32) v1(281.25,28.32)
  Bottom w0.25: 247.75,74.6 SW42.2 247.75,83.99 247.79,84.03 238.33,93.48 ; 247.75,74.6 247.77,74.58 SW42.2 ; 247.75,74.6 247.75,70.06 254.66,63.15 SW56.2 264.42,56.28 ; 238.33,125.06 238.33,117.5 ; 238.33,117.5 238.38,117.44 243.35,117.44 ; 238.33,117.5 SW28.2 238.33,93.48 ; SW56.2 265.17,55.53 264.42,56.28 ; 264.42,56.28 264.42,56.17 271.8,48.8 SW69.2 281.25,31.75 ; v1(295.02,28.32) 318.78,28.32 324.2,33.75 324.2,96.74 U1.10 ; 238.33,93.48 238.47,93.63 SW28.2 ; 281.25,31.75 281.28,31.72 SW69.2 ; 281.25,31.75 SW78.2 281.25,17.69 SW78.2
/COL 13: length 265.8
  Top w0.25: v1(297.5,29.5) v1(297.5,25)
  Bottom w0.25: 286.5,77.15 286.5,83.66 SW43.1 285.07,84.74 280.79,89.03 280.79,96.19 ; 286.5,77.15 286.5,56 297.5,45 v1(297.5,29.5) 318.68,29.5 323.3,34.12 323.3,92.56 U1.12 ; 286.5,77.15 286.47,77.12 SW43.1 ; 280.79,96.19 280.79,103.76 SW29.1 280.75,104.75 277.5,108 ; 280.79,96.19 280.77,96.17 SW29.1 ; 277.5,108 265,108 257.94,115.06 SW14.S2 ; 277.5,108 275.5,110 275.5,123.54 SW15.S1 ; SW79.1 311.67,20.35 SW79.1 311.98,25 v1(297.5,25)
/Key Matrix/ROT1_2: length 8.8
  Top w0.25: SW14.S1 256.34,123.42 D7.1
/Key Matrix/ROT2_2: length 101.4
  Top w0.25: v1(287.29,70.03) 259.79,70.03 252.06,62.29 D28.2
  Bottom w0.25: SW15.S2 291.5,105.51 291.5,89.5 287.29,85.29 v1(287.29,70.03)
/ROT1_A: length 38.6
  Top w0.25: U1.35 299.65,113.5 v1(295,113.5) 279.6,113.5 274.75,118.35 274.75,122.71 SW14.B
  Bottom w0.25: v1(295,113.5) C1.1
/ROT1_B: length 33.8
  Top w0.25: U1.34 300.57,112.75 v1(292,112.75) 278.65,112.75 272.44,118.96 SW14.A
  Bottom w0.25: v1(292,112.75) C2.1
/ROT2_A: length 11.7
  Bottom w0.25: U1.37 295.8,125.14 C3.1 294.89,125.03 SW15.B
/ROT2_B: length 10.6
  Bottom w0.25: U1.36 298.51,119.89 C4.1 294.86,120.03 SW15.A
/ROW 0: length 297.6
  Top w0.25: 138.35,114.35 176.45,114.35 ; 138.35,114.35 100.25,114.35 ; 138.35,114.35 D4.3 ; 176.45,114.35 D5.3 ; 176.45,114.35 214.55,114.35 ; 214.55,114.35 D6.3 ; 214.55,114.35 254.67,114.35 ; D1.3 29.52,114.35 62.15,114.35 ; 100.25,114.35 D3.3 ; 100.25,114.35 62.15,114.35 ; 62.15,114.35 D2.3 ; 254.67,114.35 257.22,111.8 298.98,111.8 U1.33 ; 254.67,114.35 D7.3
/ROW 1: length 293.9
  Top w0.25: 139.44,91.62 121.22,91.62 120.18,90.58 100.29,90.58 ; 139.44,91.62 D11.3 ; 139.44,91.62 177.54,91.62 ; 177.54,91.62 D12.3 ; 177.54,91.62 215.64,91.62 ; 100.29,90.58 D10.3 ; 100.29,90.58 62.19,90.58 ; 215.64,91.62 D13.3 ; 215.64,91.62 253.74,91.62 D14.3 266.3,93.28 269.05,90.53 278.68,90.53 282.69,94.53 U1.27 ; 62.19,90.58 29.5,90.58 26.8,93.28 D8.3 ; 62.19,90.58 D9.3
/ROW 2: length 403.4
  Top w0.25: 71.69,71.5 39.04,71.5 D15.3 ; 71.69,71.5 109.79,71.5 ; 71.69,71.5 D16.3 ; 109.79,71.5 D17.3 ; 109.79,71.5 147.89,71.5 ; 224.09,71.5 262.19,71.5 ; 224.09,71.5 185.99,71.5 ; 224.09,71.5 D20.3 ; 262.19,71.5 262.69,71 v1(287.86,71) ; 262.19,71.5 D21.3 ; 147.89,71.5 D18.3 ; 147.89,71.5 185.99,71.5 ; 185.99,71.5 D19.3
  Bottom w0.25: U1.16 322.4,83.3 322.4,34.49 318.43,30.52 299.48,30.52 298.5,31.5 298.5,45.5 287.86,56.14 v1(287.86,71)
/ROW 3: length 387.8
  Top w0.25: 191.3,53 D26.3 ; 191.3,53 191.15,52.85 152.88,52.85 ; 191.3,53 229.4,53 ; 250.83,53 254.33,49.5 294,49.5 298.07,45.43 v1(298.07,30.07) ; 250.83,53 D28.3 ; 250.83,53 229.4,53 ; 76.85,52.85 114.95,52.85 ; 76.85,52.85 43.42,52.85 41.1,55.18 D22.3 ; 76.85,52.85 D23.3 ; 114.95,52.85 D24.3 ; 114.95,52.85 152.88,52.85 ; 152.88,52.85 153.05,52.85 D25.3 ; 229.4,53 D27.3
  Bottom w0.25: v1(298.07,30.07) 318.62,30.07 322.85,34.3 322.85,90.47 U1.13
/ROW 4: length 369.1
  Top w0.25: D30.3 86.42,33.85 86.38,33.85 ; D29.3 52.87,33.85 86.38,33.85 ; 86.38,33.85 124.52,33.85 ; v1(294.36,28.9) 280.6,28.9 275.65,33.85 273.4,33.85 ; D33.3 200.72,33.85 200.52,33.85 ; 273.4,33.85 D35.3 ; 273.4,33.85 238.82,33.85 ; 200.52,33.85 238.82,33.85 ; 200.52,33.85 162.62,33.85 ; 238.82,33.85 D34.3 ; 124.52,33.85 D31.3 ; 124.52,33.85 162.62,33.85 ; 162.62,33.85 D32.3
  Bottom w0.25: v1(294.36,28.9) 318.72,28.9 323.75,33.93 323.75,94.65 U1.11
/ROW 5: length 428.8
  Top w0.25: D36.3 35.04,15.96 75.68,15.96 D37.3 76.79,27.03 82.99,33.22 215.09,33.22 217.29,31.03 D38.3 219.41,14.95 D40.3 D39.3 256.82,17.07 259,19.25 259,24 261,26 v1(295,26)
  Bottom w0.25: v1(295,26) 319,26 326,33 326,115.26 U1.2
/SCL1: length 38.1
  Top w0.3: U2.2 309.94,74.9 317.85,74.9 321.35,78.4 321.35,89.43 U1.14
  Bottom w0.3: 307.51,68.91 307.54,68.94 U2.2
/SDA1: length 35.7
  Top w0.3: U1.15 320.08,88.16 320.08,79.35 316.58,75.85 308.35,75.85 U2.1
  Bottom w0.25: U2.1 305,68.91
Net-(D1-Pad1): length 13.7
  Top w0.25: D1.1 27.74,120.97 v1(28.29,121.53)
  Bottom w0.25: 28.78,125.06 28.78,122.02 v1(28.29,121.53) 29.72,121.53 33.8,117.44
Net-(D1-Pad2): length 14.4
  Top w0.25: v1(25.29,121.53) 25.84,120.97 D1.2
  Bottom w0.25: SW1.1 23.58,123.23 v1(25.29,121.53) 23.75,119.98 SW1.1
Net-(D2-Pad1): length 14.2
  Top w0.25: D2.1 65.84,122.08 v1(66.29,122.53)
  Bottom w0.25: 71.9,117.44 66.82,122.53 v1(66.29,122.53) 66.88,123.11 66.88,125.06
Net-(D2-Pad2): length 14.7
  Top w0.25: v1(63.29,122.53) 63.94,121.88 D2.2
  Bottom w0.25: SW3.1 61.68,124.14 v1(63.29,122.53) 60.75,119.98 SW3.1
Net-(D3-Pad1): length 13.9
  Top w0.25: D3.1 103.94,121.17 v1(104.29,121.53)
  Bottom w0.25: 104.98,125.06 104.98,122.22 v1(104.29,121.53) 108.37,117.44 110,117.44
Net-(D3-Pad2): length 14.7
  Top w0.25: D3.2 102.04,121.28 v1(101.79,121.53)
  Bottom w0.25: SW5.1 99.78,123.53 v1(101.79,121.53) 100.25,119.98 SW5.1
Net-(D4-Pad1): length 14
  Top w0.25: v1(142.29,121.53) 142.04,121.28 D4.1
  Bottom w0.25: 148.1,117.44 146.37,117.44 v1(142.29,121.53) 143.08,122.31 143.08,125.06
Net-(D4-Pad2): length 14.6
  Top w0.25: D4.2 140.14,121.17 v1(139.79,121.53)
  Bottom w0.25: SW7.1 137.88,123.44 v1(139.79,121.53) 138.25,119.98 SW7.1
Net-(D5-Pad1): length 13.9
  Top w0.25: v1(180.29,121.03) 180.14,120.88 D5.1
  Bottom w0.25: 181.18,125.06 181.18,121.92 v1(180.29,121.03) 183.87,117.44 186.2,117.44
Net-(D5-Pad2): length 14.3
  Top w0.25: v1(177.79,121.03) 178.24,120.58 D5.2
  Bottom w0.25: SW9.1 175.98,122.83 v1(177.79,121.03) 176.75,119.98 SW9.1
Net-(D6-Pad1): length 13.5
  Top w0.25: D6.1 218.24,120.47 v1(218.79,121.03)
  Bottom w0.25: 219.28,125.06 219.28,121.52 v1(218.79,121.03) 220.72,121.03 224.3,117.44
Net-(D6-Pad2): length 14.7
  Top w0.25: D6.2 216.34,120.97 v1(216.29,121.03)
  Bottom w0.25: SW11.1 214.08,123.23 v1(216.29,121.03) 215.25,119.98 SW11.1
Net-(D7-Pad2): length 16.5
  Top w0.25: v1(253.79,122.03) 254.44,121.38 D7.2
  Bottom w0.25: SW13.1 252.18,123.64 v1(253.79,122.03) 251.75,119.98 SW13.1
Net-(D8-Pad1): length 13.9
  Top w0.25: D8.1 27.74,96.97 v1(27.79,97.03)
  Bottom w0.25: SW17.2 28.78,98.02 v1(27.79,97.03) 30.4,97.03 SW17.2
Net-(D8-Pad2): length 14.6
  Top w0.25: v1(25.79,97.03) 25.84,96.97 D8.2
  Bottom w0.25: SW16.1 23.58,99.23 v1(25.79,97.03) 24.93,96.17 SW16.1
Net-(D9-Pad1): length 13.5
  Top w0.25: v1(66.29,97.03) 65.84,96.58 D9.1
  Bottom w0.25: SW19.2 68.5,97.03 v1(66.29,97.03) 66.88,97.61 SW19.2
Net-(D9-Pad2): length 14.2
  Top w0.25: D9.2 63.94,96.88 v1(63.29,97.53)
  Bottom w0.25: SW18.1 61.68,99.14 v1(63.29,97.53) 61.93,96.17 SW18.1
Net-(D10-Pad1): length 14.1
  Top w0.25: D10.1 103.94,97.67 v1(104.29,98.03)
  Bottom w0.25: SW21.2 104.98,98.72 v1(104.29,98.03) 105.6,98.03 SW21.2
Net-(D10-Pad2): length 14.8
  Top w0.25: D10.2 102.04,97.78 v1(101.79,98.03)
  Bottom w0.25: SW20.1 99.78,100.03 v1(101.79,98.03) 99.93,96.17 SW20.1
Net-(D11-Pad1): length 14
  Top w0.25: v1(142.29,97.53) 142.04,97.28 D11.1
  Bottom w0.25: SW23.2 143.08,98.31 v1(142.29,97.53) 146.18,93.63 SW23.2
Net-(D11-Pad2): length 14.5
  Top w0.25: D11.2 140.14,97.17 v1(139.79,97.53)
  Bottom w0.25: SW22.1 137.88,99.44 v1(139.79,97.53) 138.43,96.17 SW22.1
Net-(D12-Pad1): length 14.3
  Top w0.25: D12.1 180.14,97.88 v1(180.29,98.03)
  Bottom w0.25: SW25.2 181.8,98.03 v1(180.29,98.03) 181.18,98.92 SW25.2
Net-(D12-Pad2): length 14.6
  Top w0.25: v1(177.79,98.03) 178.24,97.58 D12.2
  Bottom w0.25: SW24.1 175.93,96.17 v1(177.79,98.03) 175.98,99.83 SW24.1
Net-(D13-Pad1): length 14.2
  Top w0.25: D13.1 218.24,97.47 v1(218.29,97.53)
  Bottom w0.25: SW27.2 219.28,98.52 v1(218.29,97.53) 222.18,93.63 SW27.2
Net-(D13-Pad2): length 14.8
  Top w0.25: D13.2 216.34,97.47 v1(216.29,97.53)
  Bottom w0.25: SW26.1 214.08,99.73 v1(216.29,97.53) 214.93,96.17 SW26.1
Net-(D14-Pad1): length 23
  Top w0.25: v1(257.29,97.53) 256.34,96.58 D14.1
  Bottom w0.25: 266.29,97.53 270.18,93.63 SW29.2 ; 266.29,97.53 v1(257.29,97.53) ; 266.29,97.53 266.9,98.14 SW29.2
Net-(D14-Pad2): length 14.5
  Top w0.25: v1(254.29,97.03) 254.44,96.88 D14.2
  Bottom w0.25: SW28.1 253.43,96.17 v1(254.29,97.03) 252.18,99.14 SW28.1
Net-(D15-Pad1): length 13.4
  Top w0.25: D15.1 37.26,77.5 v1(37.79,78.03)
  Bottom w0.25: SW31.2 38.2,78.44 v1(37.79,78.03) 41.23,74.58 SW31.2
Net-(D15-Pad2): length 21
  Top w0.25: D15.2 35.36,77.45 v1(34.79,78.03)
  Bottom w0.25: SW30.1 28.24,84.57 v1(34.79,78.03) 33.88,77.12 SW30.1
Net-(D16-Pad1): length 13.9
  Top w0.25: D16.1 75.36,78.6 v1(75.79,79.03)
  Bottom w0.25: SW33.2 76.88,79.03 v1(75.79,79.03) 76.3,79.54 SW33.2
Net-(D16-Pad2): length 15.1
  Top w0.25: v1(73.29,79.03) 73.46,78.85 D16.2
  Bottom w0.25: SW32.1 71.38,77.12 v1(73.29,79.03) 71.1,81.21 SW32.1
Net-(D17-Pad1): length 14
  Top w0.25: v1(113.79,79.03) 113.46,78.7 D17.1
  Bottom w0.25: SW35.2 114.4,79.64 v1(113.79,79.03) 114.98,79.03 SW35.2
Net-(D17-Pad2): length 15
  Top w0.25: v1(111.29,79.03) 111.56,78.75 D17.2
  Bottom w0.25: SW34.1 109.2,81.11 v1(111.29,79.03) 109.38,77.12 SW34.1
Net-(D18-Pad1): length 13.7
  Top w0.25: D18.1 151.56,77.8 v1(151.79,78.03)
  Bottom w0.25: SW37.2 155.23,74.58 v1(151.79,78.03) 152.5,78.74 SW37.2
Net-(D18-Pad2): length 14.5
  Top w0.25: v1(149.29,78.03) 149.66,77.65 D18.2
  Bottom w0.25: SW36.1 148.38,77.12 v1(149.29,78.03) 147.3,80.01 SW36.1
Net-(D19-Pad1): length 13.5
  Top w0.25: v1(190.29,78.53) 189.66,77.9 D19.1
  Bottom w0.25: SW39.2 191.68,78.53 v1(190.29,78.53) 190.6,78.84 SW39.2
Net-(D19-Pad2): length 14.6
  Top w0.25: v1(187.29,78.53) 187.76,78.05 D19.2
  Bottom w0.25: SW38.1 185.88,77.12 v1(187.29,78.53) 185.4,80.41 SW38.1
Net-(D20-Pad1): length 13.6
  Top w0.25: v1(228.29,78.53) 227.76,78 D20.1
  Bottom w0.25: SW41.2 228.7,78.94 v1(228.29,78.53) 229.78,78.53 SW41.2
Net-(D20-Pad2): length 14.7
  Top w0.25: D20.2 225.86,78.45 v1(225.29,79.03)
  Bottom w0.25: SW40.1 223.5,80.81 v1(225.29,79.03) 223.38,77.12 SW40.1
Net-(D21-Pad1): length 20.8
  Top w0.25: v1(266.29,78.03) 265.86,77.6 D21.1
  Bottom w0.25: SW43.2 270.46,82.2 v1(266.29,78.03) 273.14,78.03 SW43.2
Net-(D21-Pad2): length 14.7
  Top w0.25: D21.2 263.96,77.85 v1(263.79,78.03)
  Bottom w0.25: SW42.1 261.6,80.21 v1(263.79,78.03) 262.88,77.12 SW42.1
Net-(D22-Pad1): length 13.6
  Top w0.25: v1(42.29,59.03) 42.02,58.76 D22.1
  Bottom w0.25: SW45.2 44.49,59.03 v1(42.29,59.03) 42.96,59.7 SW45.2
Net-(D22-Pad2): length 25.3
  Top w0.25: v1(39.29,59.03) 40.12,58.19 D22.2
  Bottom w0.25: SW44.1 37.29,59.03 v1(39.29,59.03) 38.33,58.07 SW44.1
Net-(D23-Pad1): length 14.4
  Top w0.25: D23.1 80.12,60.36 v1(80.29,60.53)
  Bottom w0.25: SW47.2 81.09,60.53 v1(80.29,60.53) 81.06,61.3 SW47.2
Net-(D23-Pad2): length 15
  Top w0.25: v1(77.79,60.53) 78.22,60.09 D23.2
  Bottom w0.25: SW46.1 75.33,58.07 v1(77.79,60.53) 75.86,62.45 SW46.1
Net-(D24-Pad1): length 14
  Top w0.25: D24.1 118.22,59.46 v1(118.29,59.53)
  Bottom w0.25: SW49.2 119.16,60.4 v1(118.29,59.53) 122.28,55.53 SW49.2
Net-(D24-Pad2): length 14.5
  Top w0.25: D24.2 116.32,58.99 v1(115.79,59.53)
  Bottom w0.25: SW48.1 113.96,61.35 v1(115.79,59.53) 114.33,58.07 SW48.1
Net-(D25-Pad1): length 13.6
  Top w0.25: D25.1 156.32,59.06 v1(156.79,59.53)
  Bottom w0.25: SW51.2 158.29,59.53 v1(156.79,59.53) 157.26,60 SW51.2
Net-(D25-Pad2): length 14.9
  Top w0.25: D25.2 154.42,59.39 v1(154.29,59.53)
  Bottom w0.25: SW50.1 152.83,58.07 v1(154.29,59.53) 152.06,61.75 SW50.1
Net-(D26-Pad1): length 14
  Top w0.25: D26.1 194.42,59.66 v1(194.79,60.03)
  Bottom w0.25: SW53.2 195.36,60.6 v1(194.79,60.03) 195.89,60.03 SW53.2
Net-(D26-Pad2): length 15
  Top w0.25: D26.2 192.52,59.79 v1(192.29,60.03)
  Bottom w0.25: SW52.1 190.33,58.07 v1(192.29,60.03) 190.16,62.15 SW52.1
Net-(D27-Pad1): length 13.8
  Top w0.25: v1(232.79,59.53) 232.52,59.26 D27.1
  Bottom w0.25: SW55.2 234.49,59.53 v1(232.79,59.53) 233.46,60.2 SW55.2
Net-(D27-Pad2): length 14.6
  Top w0.25: D27.2 230.62,59.69 v1(229.79,60.53)
  Bottom w0.25: SW54.1 228.26,62.05 v1(229.79,60.53) 227.33,58.07 SW54.1
Net-(D28-Pad1): length 32.2
  Top w0.25: v1(266.46,57.59) 265.93,57.05 D28.1
  Bottom w0.25: v1(266.46,57.59) 275.31,57.59 SW56.1 277.41,58.07 278.68,59.34 278.68,65.29 SW56.1
Net-(D29-Pad1): length 13.9
  Top w0.25: v1(51.79,40.03) 51.55,39.79 D29.1
  Bottom w0.25: SW58.2 52.68,40.91 v1(51.79,40.03) 54.15,40.03 SW58.2
Net-(D29-Pad2): length 27.9
  Top w0.25: v1(48.79,40.03) 49.65,39.16 D29.2
  Bottom w0.25: 42.19,40.03 41.19,39.02 SW57.1 ; 42.19,40.03 v1(48.79,40.03) ; 42.19,40.03 SW57.1
Net-(D30-Pad1): length 14.3
  Top w0.25: D30.1 89.65,40.89 v1(90.04,41.28)
  Bottom w0.25: SW60.2 90.75,41.99 v1(90.04,41.28) 90.98,41.28 SW60.2
Net-(D30-Pad2): length 14.6
  Top w0.25: v1(87.29,41.03) 87.75,40.56 D30.2
  Bottom w0.25: SW59.1 85.28,39.02 v1(87.29,41.03) 85.55,42.76 SW59.1
Net-(D31-Pad1): length 13.8
  Top w0.25: D31.1 127.75,39.99 v1(128.29,40.53)
  Bottom w0.25: SW62.2 129.83,40.53 v1(128.29,40.53) 128.85,41.09 SW62.2
Net-(D31-Pad2): length 15
  Top w0.25: v1(125.79,41.03) 125.85,40.96 D31.2
  Bottom w0.25: SW61.1 123.65,43.16 v1(125.79,41.03) 123.78,39.02 SW61.1
Net-(D32-Pad1): length 14.1
  Top w0.25: D32.1 165.85,40.59 v1(166.29,41.03)
  Bottom w0.25: SW64.2 167.43,41.03 v1(166.29,41.03) 166.95,41.69 SW64.2
Net-(D32-Pad2): length 14.9
  Top w0.25: v1(163.79,41.03) 163.95,40.86 D32.2
  Bottom w0.25: SW63.1 161.75,43.06 v1(163.79,41.03) 161.78,39.02 SW63.1
Net-(D33-Pad1): length 13.8
  Top w0.25: D33.1 203.95,39.69 v1(204.29,40.03)
  Bottom w0.25: SW66.2 205.05,40.79 v1(204.29,40.03) 207.83,36.48 SW66.2
Net-(D33-Pad2): length 14.4
  Top w0.25: D33.2 202.05,39.76 v1(201.79,40.03)
  Bottom w0.25: SW65.1 199.85,41.96 v1(201.79,40.03) 200.78,39.02 SW65.1
Net-(D34-Pad1): length 26.1
  Top w0.25: D34.1 242.05,39.29 v1(242.29,39.53)
  Bottom w0.25: SW68.2 252.4,39.53 v1(242.29,39.53) 246.86,44.1 SW68.2
Net-(D34-Pad2): length 14.3
  Top w0.25: v1(239.79,40.03) 240.15,39.66 D34.2
  Bottom w0.25: SW67.1 237.95,41.86 v1(239.79,40.03) 238.78,39.02 SW67.1
Net-(D35-Pad1): length 32.6
  Top w0.3: v1(282.5,29.5) 281,29.5 276.62,33.88 D35.1
  Bottom w0.25: SW69.1 292.62,39.4 SW69.1
  Bottom w0.3: SW69.1 287.86,29.5 v1(282.5,29.5)
Net-(D36-Pad1): length 13.8
  Top w0.25: D36.1 34.88,20.62 v1(35.29,21.03)
  Bottom w0.25: SW71.2 38.88,17.43 v1(35.29,21.03) 36.01,21.75 SW71.2
Net-(D36-Pad2): length 20.2
  Top w0.25: D36.2 32.98,19.83 v1(31.79,21.03)
  Bottom w0.25: SW70.1 30.73,19.97 v1(31.79,21.03) 26.05,26.77 SW70.1
Net-(D37-Pad1): length 66.9
  Top w0.25: v1(78.04,21.28) 77.74,20.98 D37.1
  Bottom w0.25: SW73.2 131.23,22.45 SW73.2 81.81,25.05 v1(78.04,21.28)
Net-(D37-Pad2): length 15.3
  Top w0.25: v1(75.84,22.58) D37.2
  Bottom w0.25: SW72.1 75.84,25.42 v1(75.84,22.58) 73.23,19.97 SW72.1
Net-(D38-Pad1): length 13.6
  Top w0.25: D38.1 218.24,20.47 v1(218.79,21.03)
  Bottom w0.25: SW75.2 219.34,21.58 v1(218.79,21.03) 220.77,21.03 SW75.2
Net-(D38-Pad2): length 14.1
  Top w0.25: D38.2 216.34,20.47 v1(215.79,21.03)
  Bottom w0.25: SW74.1 214.14,23.04 214.16,23.02 214.16,22.66 v1(215.79,21.03) 214.73,19.97 SW74.1
Net-(D39-Pad1): length 19
  Top w0.25: v1(256.29,22.03) 256.34,21.97 D39.1
  Bottom w0.25: v1(256.29,22.03) 252.24,26.07 SW76.1 252.24,25.46 249.76,22.98 SW76.1
Net-(D39-Pad2): length 19.1
  Top w0.25: v1(254.44,20.53) D39.2
  Bottom w0.25: SW77.2 262.2,17.69 SW77.2 261.97,20.53 v1(254.44,20.53)
Net-(D40-Pad1): length 63.8
  Top w0.25: SW79.2 301.68,9.03 258.49,9.03 D40.1
  Bottom w0.25: SW79.2 300.3,17.69 SW79.2
Net-(D40-Pad2): length 53.3
  Top w0.25: D40.2 259.94,9.47 290.24,9.47 v1(293.79,13.03)
  Bottom w0.25: 295.12,15.13 295.12,14.36 v1(293.79,13.03) ; 295.12,15.13 295.12,22.81 SW78.1 ; 295.12,15.13 295.04,15.21 SW78.1

## Copper pours and planes (outline as drawn; the poured copper is in the pictures)
GND on Top, Bottom: 332,141 332,-2 -2,-2 -2,142

## Text on the board
B.Silkscreen: JLCJLCJLC
F.Silkscreen: EXPLORE REV4 | (C) SCOTT CJX
